# Altium PCB Power.PcbDoc (continued)
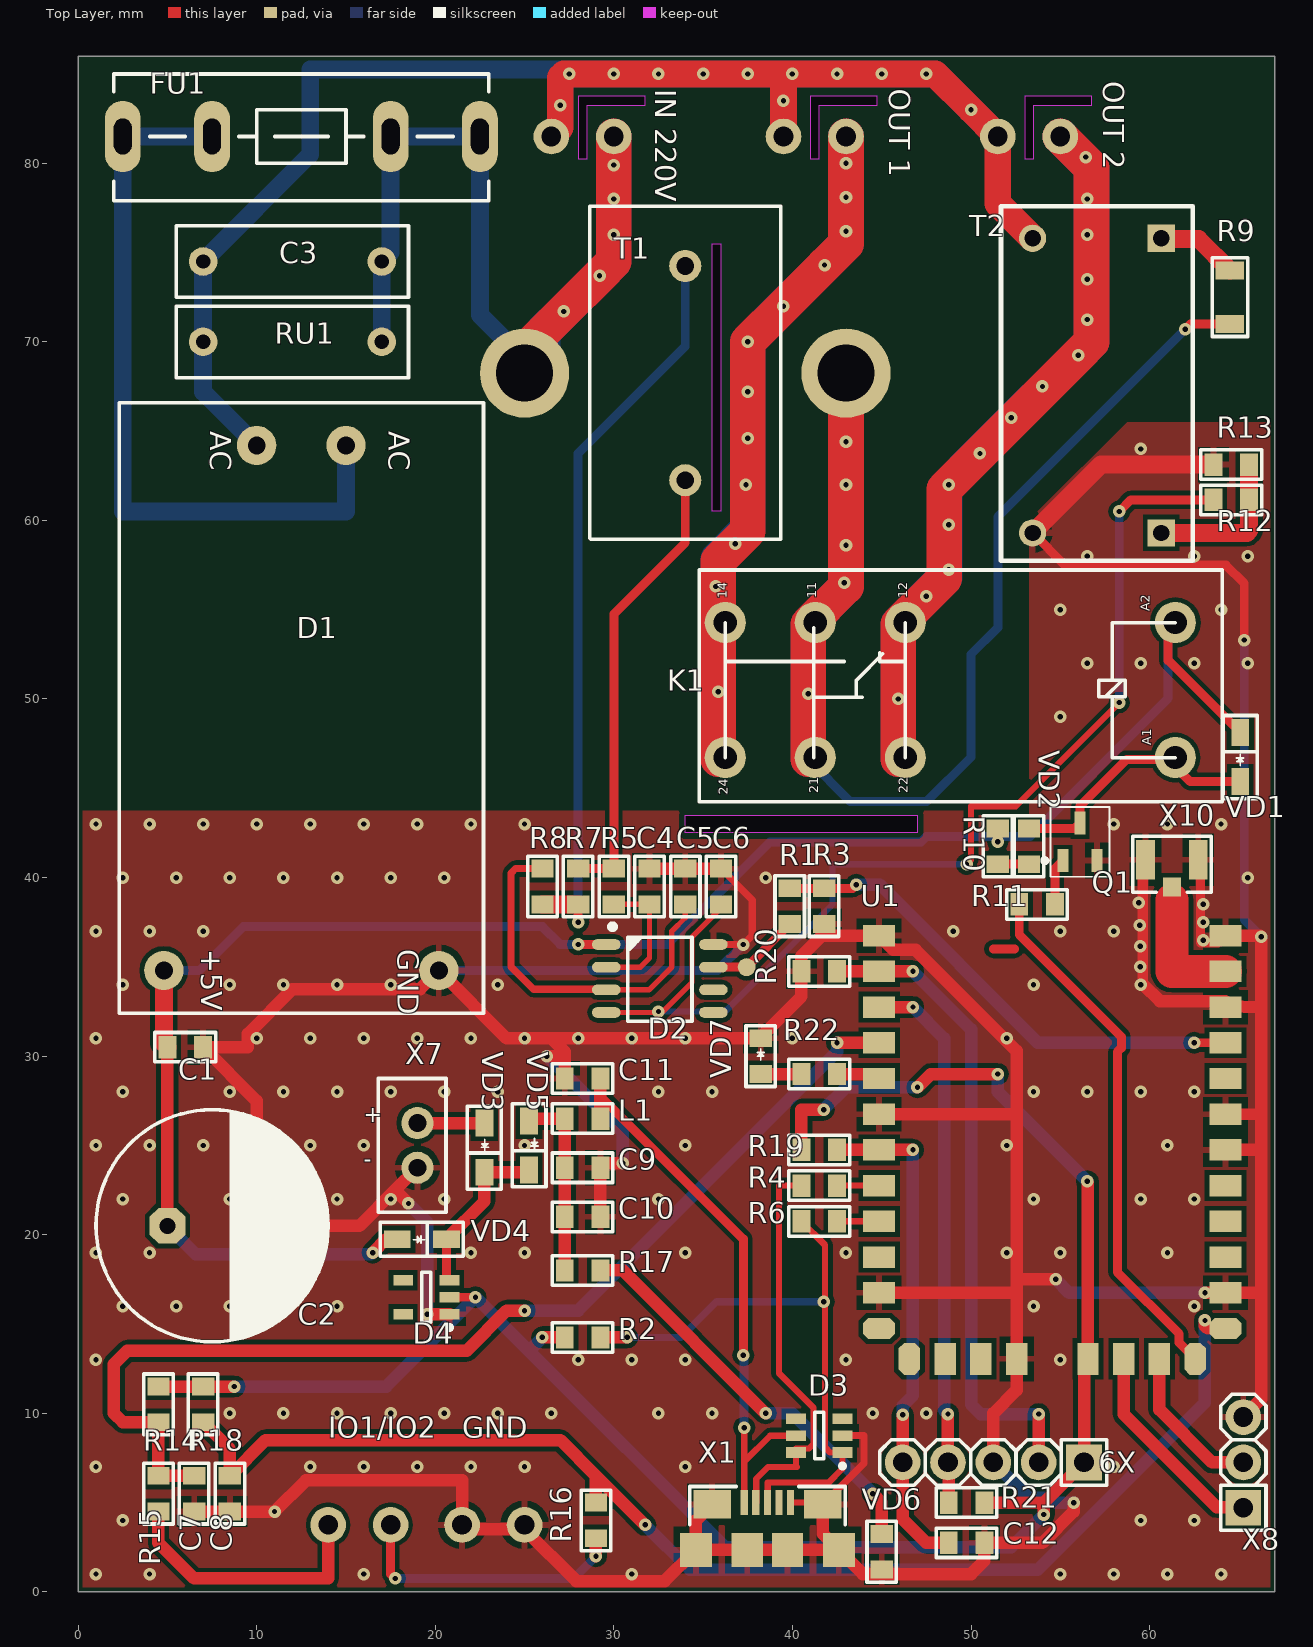
[diagram p0: Top Layer view]
## Components (designator, comment, footprint, x,y, rotation, side; value= is the part's Value field where it differs from the comment) (continued)
GND "Connector, 2pin, 10mm, 1000V, 20A" 393570002 6.5,-4.25 r0 top
"IN 220V" "Connector, 2pin, 10mm, 1000V, 20A" 393570002 45,89.5 r180 top (schematic designator IN:L/N)
IO1/IO2 "Connector, 2pin, 10mm, 1000V, 20A" 393570002 -1,-4.25 r0 top
K1 "Electromechanics relay, 3VDC, 250VAC, 16A, 2NO+2NC, -40...+85°C" "REL: RT314005" 49.9,50.1 r180 top
L1 "Fixed inductor, 10μH, Tolerance, 0805, 100mA, -55...+125°C" "IND: 0805" 28.25,26.5 r0 top value=10?H
"OUT 1" "Connector, 2pin, 10mm, 1000V, 20A" 393570002 58,89.5 r180 top
"OUT 2" "Connector, 2pin, 10mm, 1000V, 20A" 393570002 70,89.5 r180 top
Q1 "TRPBF" SOT23_N+ 56.1,42 r90 top
R1 "Resistor film, 4.7K, Tolerance, 0805, 0.125W, -55...+125°C" "RES: 0805" 39.85,38.4 r90 top value=4.7K
R2 "Resistor film, 1.5k, Tolerance, 0805, 0.125W, -55...+125°C" "RES: 0805" 28.25,14.25 r180 top value=1.5k
R3 "Resistor film, 2.2K, Tolerance, 0805, 0.125W, -55...+125°C" "RES: 0805" 41.775,38.4 r270 top value=2.2K
R4 "Resistor film, 22R, Tolerance, 0805, 0.125W, -55...+125°C" "RES: 0805" 41.5,22.75 r0 top value=22R
R5 "Resistor film, 1K, Tolerance, 0805, 0.125W, -55...+125°C" "RES: 0805" 30,39.5 r90 top value=1K
R6 "Resistor film, 22R, Tolerance, 0805, 0.125W, -55...+125°C" "RES: 0805" 41.5,20.75 r0 top value=22R
R7 "Resistor film, 1R, Tolerance, 0805, 0.125W, -55...+125°C" "RES: 0805" 28,39.5 r90 top value=1R
R8 "Resistor film, 1K, Tolerance, 0805, 0.125W, -55...+125°C" "RES: 0805" 26,39.5 r270 top value=1K
R9 "Resistor film, 100K, Tolerance, 0805, 0.125W, -55...+125°C" "RES: 1206" 64.5,72.5 r270 top value=100K
R10 "Resistor film, 1K, Tolerance, 0805, 0.125W, -55...+125°C" "RES: 0805" 51.5,41.75 r90 top value=1K
R11 "Resistor film, 120R, Tolerance, 0805, 0.125W, -55...+125°C" "RES: 0805" 53.7,38.5 r180 top value=120R
R12 "Resistor film, 1K, Tolerance, 0805, 0.125W, -55...+125°C" "RES: 0805" 64.575,61.15 r0 top value=1K
R13 "Resistor film, 51R, Tolerance, 0805, 0.125W, -55...+125°C" "RES: 0805" 64.575,63.125 r0 top value=51R
R14 "Resistor film, 10K, Tolerance, 0805, 0.125W, -55...+125°C" "RES: 0805" 4.5,10.5 r270 top value=10K
R15 "Resistor film, 1K, Tolerance, 0805, 0.125W, -55...+125°C" "RES: 0805" 4.5,5.5 r270 top value=1K
R16 "Resistor film, 1K, Tolerance, 0805, 0.125W, -55...+125°C" "RES: 0805" 29,4 r270 top value=1K
R17 "Resistor film, 220R, Tolerance, 0805, 0.125W, -55...+125°C" "RES: 0805" 28.25,18 r180 top value=220R
R18 "Resistor film, 10K, Tolerance, 0805, 0.125W, -55...+125°C" "RES: 0805" 7,10.5 r270 top value=10K
R19 "Resistor film, 47K, Tolerance, 0805, 0.125W, -55...+125°C" "RES: 0805" 41.5,24.75 r180 top value=47K
R20 "Resistor film, 1K, Tolerance, 0805, 0.125W, -55...+125°C" "RES: 0805" 41.5,34.75 r180 top value=1K
R21 "Resistor film, 1K, Tolerance, 0805, 0.125W, -55...+125°C" "RES: 0805" 49.75,5 r0 top value=1K
R22 "Resistor film, 1R, Tolerance, 0805, 0.125W, -55...+125°C" "RES: 0805" 41.5,29 r0 top value=1R
RU1 "Varistor, 275VAC, pitch 7mm, -55...+125°C" "CAP: B32521" 12,70 r180 top
T1 "Transformer, ZMPT103C, 0.35W" TRANS:ZMCT103C 34,68.25 r90 top
T2 "Transformer, ZMPT107, 0.35W" TRANS:ZMPT107-1 57.13,67.55 r270 top
U1 "iM880B-L" iM880B 46.85,36.75 r90 top (schematic designator U*1)
VD1 "Single diode, 75V, 150mA, 1V, 4ns, SOD-323, -55...+150°C" "DIODE: SOD123F" 65.075,46.75 r90 top
VD2 "LED, Green, *, *, *, -55...+150°C" "LED: 0805R" 53.25,41.75 r90 top
VD3 "Single diode, 75V, 150mA, 1V, 4ns, SOD-323, -55...+150°C" "DIODE: SOD123F" 22.75,24.875 r270 top
VD4 "Single diode, 75V, 150mA, 1V, 4ns, SOD-323, -55...+150°C" "DIODE: SOD123F" 19.25,19.75 r0 top
VD5 "Single diode, 75V, 150mA, 1V, 4ns, SOD-323, -55...+150°C" "DIODE: SOD123F" 25.25,25 r270 top
VD6 "LED, Green, *, *, *, -55...+150°C" "LED: 0805B" 45,2.25 r270 top
VD7 "LED, Green, *, *, *, -55...+150°C" "LED: 0805G" 38.225,30 r90 top
X1 "USB micro B" "CON: USB micro-A (ZX62-B-5PA)" 38.6,5 r0 top
X7 "Connector, 2pin, 2.5 mm, 250V, 3A" "CON: B2B-EH-A" 19,25 r270 top
X8 "Connector, 3pin, 2.54mm, 500VAC, 3A" "CON: PLS-3" 65.25,7.25 r90 top
X9 "Connector, 5pin, 2.54mm, 500VAC, 3A" "CON: PLS-5" 51.25,7.25 r180 top
X10 "Connector u.FL, 50 Ohm, 6GHz" "CON: u.Fl" 61.25,41 r0 top

## Footprints (in the part's own frame and the unit in brackets; to place one, negate y for a bottom-side part, rotate by r counter-clockwise, add the part's x,y. Pads: shape width x height; smd on the part's side, far side on the other; paste and mask are expansions set on the pad)
8-SOP-8_1_27 [mm]
  oval 1.598x0.6 smd: 1(-3,1.955) 2(-3,0.685) 3(-3,-0.585) 4(-3,-1.855) 5(3,-1.855) 6(3,-0.585) 7(3,0.685) 8(3,1.955)
  silkscreen extent -2.8,-2.35 1.8,3.1, body extent -3.1,-2.5 3.1,2.5, height 1.75
393570002 [mm]
  round 2 hole 1.1: 1(15,8) 2(18.5,8)
  body extent 13.19,4.5 20.3,11.79, height 8.51
"CAP: 0805" [mm]
  rect 1x1.25 smd: 1(-1,0) 2(1,0)
  silkscreen extent -1.7,-0.82 1.7,0.82, body extent -1,-0.62 1,0.63, height 0.78
"CAP: B32521" [mm]
  round 1.6 hole 0.8: 1(-5,0) 2(5,0)
  silkscreen extent -6.5,-2 6.5,2, body extent -6.5,-2 6.5,2, height 9
"CAP: D13C5H25" [mm]
  oct 2x2 hole 0.9: 1(-2.5,0)
  round 2 hole 0.9: 2(2.5,0)
  silkscreen extent -6.5,-6.5 6.53,6.5, body extent -6.5,-6.5 6.5,6.5, height 25
"CON: B2B-EH-A" [mm]
  round 1.8 hole 1: 1(-1.25,0) 2(1.25,0)
  round 0.5 on Top Overlay: ""(-4.2,-2)
  silkscreen extent -3.75,-2.2 3.75,1.6, body extent -3.75,-2.2 3.75,1.6, height 6.05
"CON: PLS-3" [mm]
  rect 2x2 hole 1.1: 1(-2.54,0)
  round 2 hole 1.1: 2(0,0) 3(2.54,0)
  silkscreen extent -3.81,-1.27 3.81,1.27, body extent -3.81,-1.27 3.81,1.27, height 8.54
"CON: PLS-5" [mm]
  rect 2x2 hole 1.1: 1(-5.08,0)
  round 2 hole 1.1: 2(-2.54,0) 3(0,0) 4(2.54,0) 5(5.08,0)
  silkscreen extent -6.35,-1.27 6.35,1.27, body extent -6.35,-1.27 6.35,1.27, height 8.54
"CON: u.Fl" [mm]
  rect 1x1.05 smd: 1(0,-1.525)
  rect 1.05x2.2 smd: 2(-1.475,0) 2(1.475,0)
  silkscreen extent -2.2,-1.81 2.2,1.31, body extent -1.5,-1.71 1.5,1.14, height 1.27
"CON: USB micro-A (ZX62-B-5PA)" [mm]
  rect 1.8x1.9 smd: 0(-4,-2.65) 0(4,-2.65)
  rect 2.1x1.6 smd: 0(-3.1,-0.1) 0(3.1,-0.1)
  rect 1.75x1.9 smd: 0(-1.125,-2.65) 0(1.125,-2.65)
  rect 0.4x1.4 smd: 1(-1.3,0) 2(-0.65,0) 3(0,0) 4(0.65,0) 5(1.3,0)
  round 0.5 on Top Overlay: ""(-4.85,0.75)
  silkscreen extent -4.35,-1.25 4.35,0.9, body extent -3.9,-4.8 3.9,0.2, height 2.68
"DIODE: SOD123F" [mm]
  rect 1.5x1 smd: 1(-1.375,0) 2(1.375,0)
  silkscreen extent -2.32,-0.95 2.32,0.95, body extent -1.87,-0.85 1.88,0.85, height 1.23
"FUSE: FH-100 (5x20 mm)" [mm]
  oval 2x4 hole 2 slot 1 at 0 deg: 1(0,0) 1(5,0) 2(15,0) 2(20,0)
  silkscreen extent -0.5,-3.5 20.5,3.6, body extent -0.4,-3.5 20.4,3.5, height 9.99
iM880B [mm]
  rect 1.2x1.8 smd: 1(0,2) 2(-2,2) 3(-4,2) 4(-6,2) 5(-8,2) 6(-10,2) 7(-12,2) 8(-14,2) 9(-16,2) 10(-18,2) 11(-20,2) 22(-20,-17.4) 23(-18,-17.4) 24(-16,-17.4) 25(-14,-17.4) 26(-12,-17.4) 27(-10,-17.4) 28(-8,-17.4) 29(-6,-17.4) 30(-4,-17.4) 31(-2,-17.4) 32(0,-17.4)
  oct 1.2x1.8 smd: 12(-22,2) 21(-22,-17.4)
  oct 1.8x1.2 smd: 13(-23.7,0.3) 20(-23.7,-15.7)
  rect 1.8x1.2 smd: 14(-23.7,-1.7) 15(-23.7,-3.7) 16(-23.7,-5.7) 17(-23.7,-9.7) 18(-23.7,-11.7) 19(-23.7,-13.7)
  body extent -24.3,-17.8 0.7,2.3, height 2
"IND: 0805" [mm]
  rect 1x1.25 smd: 1(-1,0) 2(1,0)
  silkscreen extent -1.7,-0.82 1.7,0.82, body extent -1,-0.62 1,0.63, height 0.85
"LED: 0805B" [mm]
  rect 1x1.25 smd: 1(-1,0) 2(1,0)
  silkscreen extent -1.7,-0.82 1.7,0.82, body extent -1.05,-0.67 1.05,0.68, height 0.9
"LED: 0805G" [mm]
  rect 1x1.25 smd: 1(-1,0) 2(1,0)
  silkscreen extent -1.7,-0.82 1.7,0.82, body extent -1.05,-0.67 1.05,0.68, height 0.9
"LED: 0805R" [mm]
  rect 1x1.25 smd: 1(-1,0) 2(1,0)
  silkscreen extent -1.7,-0.82 1.7,0.82, body extent -1.05,-0.67 1.05,0.68, height 0.9
"MOD: HLK-PM01" [mm]
  round 2.2 hole 1: 1(-14.7,-2.5) 2(-14.7,2.5) 3(14.7,7.7) 4(14.7,-7.7)
  silkscreen extent -17.1,-10.2 17.1,10.2, body extent -17,-10.1 17,10.1, height 15.07
"REL: RT314005" [mm]
  round 2.3 hole 1.3: 11(8.62,-4.18) 11(8.62,3.38) 12(3.58,3.38) 12(3.58,-4.18) 14(13.66,-4.18) 14(13.66,3.38) A1(-11.54,3.38) A2(-11.54,-4.18)
  round 1 on Top Overlay: 17(13.66,-2) 18(8.62,0) 19(6.317,0)
  silkscreen extent -14.18,-7.12 15.12,5.85, body extent -14.03,-7.25 14.97,5.79, height 15.91
"RES: 0805" [mm]
  rect 1x1.25 smd: 1(-1,0) 2(1,0)
  silkscreen extent -1.7,-0.82 1.7,0.82, body extent -1,-0.6 1,0.6, height 0.44
"RES: 1206" [mm]
  rect 1x1.6 smd: 1(-1.5,0) 2(1.5,0)
  silkscreen extent -2.2,-1 2.2,1, body extent -1.65,-0.8 1.55,0.8, height 0.47
SOT23-5 [mm] "pitch 0.95 mm"
  rect 1.1x0.6 smd: 1(-1.3,0.95) 2(-1.3,0) 3(-1.3,-0.95) 4(1.3,-0.95) 5(1.3,0.95)
  round 0.5 on Mech1: ""(-1.1,1.1)
  silkscreen extent -1.43,-1.4 0.25,1.82, body extent -1.5,-1.5 1.5,1.5, height 1.3
SOT23-6 [mm] "pitch 0.95 mm"
  rect 1.1x0.6 smd: 1(-1.3,0.95) 2(-1.3,0) 3(-1.3,-0.95) 4(1.3,-0.95) 5(1.3,0) 6(1.3,0.95)
  round 0.5 on Mech1: ""(-1,1.1)
  silkscreen extent -1.43,-1.3 0.25,1.82, body extent -1.4,-1.45 1.4,1.45, height 1.45
SOT23_N+ [mm] "SOT23, 3-Leads, Body 2.9x1.3mm, Pitch 0.95mm, Lead Span 2.3mm, IPC Medium Density"
  rect 1.3x0.6 smd: 1(-1.05,0.95) 2(-1.05,-0.95) 3(1.05,0)
  silkscreen extent -1.95,-1.65 1.95,2.09, body extent -0.7,-1.5 0.7,1.5, height 1.1
TRANS:ZMCT103C [mm] "Curient trnsformer"
  round 5 hole 3.2: 1(0,9) 2(0,-9)
  round 1.8 hole 1: 3(-6,0) 4(6,0)
  silkscreen extent -9.3,-5.35 9.35,5.35, body extent -9.02,-5 8.98,5, height 19
TRANS:ZMPT107-1 [mil]
  rect 60x60 hole 35.98: 1(-324.8,138.58) 3(324.8,138.58)
  round 60 hole 35.98: 2(-324.8,-144.88) 4(324.81,-144.88)
  silkscreen extent -396,-215 386,209, body extent -384,-203 376,198, height 717

## Part data
C1 C9 C11 C12: library part Ceramic_0805, Manufacturer=Yageo, Package=0805, PartNumber=CC0805KRX7R7BB104, Temperature=-55...+125°C, Tolerance=±10%, TypeCapacitor="Ceramic capacitor", TypeDielectric=X7R, ValueManufacturerPartNumber="Ceramic capacitor, 0.1?F, X7R, ±10%, Voltage, 0805, -55...+125°C", HelpURL=https://www.digikey.com/product-detail/en/yageo/CC0805KRX7R7BB104/311-1142-1-ND/303052
C2: library part Aluminium, Manufacturer=Wurth, Package="14x10x5 mm", PartNumber=860080475013, Temperature=-55...+105°C, Tolerance=±20%, TypeCapacitor="Aluminium capacitor", ValueManufacturerPartNumber="Aluminium capacitor, 330?F, 25V, ±20%, 54mOhm, 14x10x5 mm, -55...+105°C", Voltage=25V, HelpURL=https://www.digikey.com/product-detail/en/wurth-electronics-inc/860080475013/732-9029-1-ND/5728972, Impedance=54mOhm
C3: library part Ceramic_0805, Manufacturer=Yageo, Package=DIP, PartNumber=CC0805KRX7R7BB104, Temperature=-55...+125°C, Tolerance=±10%, TypeCapacitor="Ceramic capacitor", TypeDielectric=X7R, ValueManufacturerPartNumber="Ceramic capacitor, 0.1?F, X7R, ±10%, Voltage, DIP, -55...+125°C", HelpURL=https://www.digikey.com/product-detail/en/yageo/CC0805KRX7R7BB104/311-1142-1-ND/303052
C4 C5 C6: library part Ceramic_0805, Manufacturer=Yageo, Package=0805, PartNumber=CC0805KRX7R7BB104, Temperature=-55...+125°C, Tolerance=±10%, TypeCapacitor="Ceramic capacitor", TypeDielectric=X7R, ValueManufacturerPartNumber="Ceramic capacitor, 0.033?F, X7R, ±10%, Voltage, 0805, -55...+125°C", HelpURL=https://www.digikey.com/product-detail/en/yageo/CC0805KRX7R7BB104/311-1142-1-ND/303052
C7 C8: library part Ceramic_0805, Manufacturer=Yageo, Package=0805, PartNumber=CC0805KRX7R7BB104, Temperature=-55...+125°C, Tolerance=±10%, TypeCapacitor="Ceramic capacitor", TypeDielectric=X7R, ValueManufacturerPartNumber="Ceramic capacitor, 0.01?F, X7R, ±10%, Voltage, 0805, -55...+125°C", HelpURL=https://www.digikey.com/product-detail/en/yageo/CC0805KRX7R7BB104/311-1142-1-ND/303052
C10: library part Ceramic_0805, Manufacturer=Yageo, Package=0805, PartNumber=CC0805KRX7R7BB104, Temperature=-55...+125°C, Tolerance=±10%, TypeCapacitor="Ceramic capacitor", TypeDielectric=X7R, ValueManufacturerPartNumber="Ceramic capacitor, 4.1?F, X7R, ±10%, Voltage, 0805, -55...+125°C", HelpURL=https://www.digikey.com/product-detail/en/yageo/CC0805KRX7R7BB104/311-1142-1-ND/303052
D1: library part HLK-PM03, "AC/DC converter", InputVoltage=100...240VAC, Manufacturer=Mornsun, OutputVoltage="3V 900mA", Package=30x20x15mm, Temperature=-40...+105°C, ComponentType="AC/DC converter", HelpURL=https://ru.aliexpress.com/item/32408565688.html, OutputType=isolator, PartNumber=HLK-PM03, ValueManufacturerPartNumber="AC/DC converter, isolator, 3V 900mA, 100...240VAC, -40...+105°C, 30x20x15mm"
D2: library part HLW8032, "ADC", LCSCPartNumber=C128023, Manufacturer=Asia, Package=SOP-8, Temperature=-40...+125°C, ComponentType="IC ADC", HelpURL=https://www.digikey.com/product-detail/en/microchip-technology/MCP3221A5T-I-OT/MCP3221A5T-I-OTCT-ND/529836, InterfaceData=UART, PartNumber=HLW8032, Resolution="24 bit", Speed="4800 9N1", Supply=5V, ValueManufacturerPartNumber="IC ADC, 24 bit, 4800 9N1, UART, 5V, -40...+125°C, SOP-8"
D3: library part ISOUSBLC6-4SC6, "USB Isolator", Manufacturer="Texas Instruments", Package=SOT-23-6, PartNumber=USBLC6-4SC6, Temperature=-55...+105°C, ComponentType="IC USB isolator", DataRate=1Mbps, HelpURL=https://www.chipdip.ru/product/usblc6-4sc6, Supply=3...5.5V, TypeDuplex=Half-duplex, ValueManufacturerPartNumber="IC USB isolator, 1Mbps, Half-duplex, 3...5.5V, -55...+105°C, SOT-23-6"
D4: library part TTLV70436DBVT, "Linear voltage regulator", CurrentOutput="200 mA", Manufacturer="Texas Instruments", Package=SOT-23-5, Temperature=-40...+85°C, VoltageInput="input 5.5V", VoltageOutput="output 3.3V", ComponentType="Linear voltage regulator", HelpURL=https://www.digikey.com/product-detail/en/texas-instruments/TLV70033DDCR/296-27937-1-ND/2440840, MaxDropout=0.25V, PartNumber=TTLV70436DBVT, ValueManufacturerPartNumber="Linear voltage regulator, input 5.5V, 0.25V, output 3.3V, 200 mA, -40...+85°C, SOT-23-5"
FU1: library part Fuse, Manufacturer=Littelfuse, MaxCurrent=10A, Package=5x20mm, PartNumber=01110501Z, VoltageMax=250VAC, HelpURL=https://www.digikey.com/products/en?keywords=01110501Z, TypeFuse="Electromechanics relay", ValueManufacturerPartNumber="Electromechanics relay, 250VAC, 10A, 5x20mm, Temperature"
GND IO1/IO2 "OUT 1" "OUT 2": library part "Connector-Wago 734-102/037-000", CurrentMax=20A, Manufacturer=Wago, PartNumber=734-102/037-000, VoltageMax=1000V, HelpURL=https://www.wago.com/ru/%D1%81%D1%8A%D0%B5%D0%BC%D0%BD%D1%8B%D0%B5-%D1%81%D0%BE%D0%B5%D0%B4%D0%B8%D0%BD%D0%B8%D1%82%D0%B5%D0%BB%D0%B8-%D0%B8-%D0%BA%D0%BB%D0%B5%D0%BC%D0%BC%D1%8B-%D0%B4%D0%BB%D1%8F-%D0%BF%D0%B5%D1%87%D0%B0%D1%82%D0%BD%D1%8B%D1%85-%D0%BF%D0%BB%D0%B0%D1%82/%D0%BA%D0%BB%D0%B5%D0%BC%D0%BC%D0%B0-%D0%BD%D0%B0-%D0%BF%D0%B5%D1%87%D0%B0%D1%82%D0%BD%D1%83%D1%8E-%D0%BF%D0%BB%D0%B0%D1%82%D1%83/p/739-3202, Multichannel=2pin, Pitch=10mm, TypeConnector=Connector, ValueManufacturerPartNumber="Connector, 2pin, 10mm, 1000V, 20A"
  GND: CommentText="\"Çåìëÿ\""
  IO1/IO2: CommentText="\"Ñóõîé êîíòàêò\""
  "OUT 1": CommentText="\"Âûõîä ðàçîìêíóòûé\""
  "OUT 2": CommentText="\"Âûõîä çàìêíóòûé\""
"IN 220V": library part "Connector-Wago 734-102/037-000", CurrentMax=20A, Manufacturer=393570002, PartNumber=734-102/037-000, VoltageMax=1000V, CommentText="\"Âõîä\"", HelpURL=https://www.wago.com/ru/%D1%81%D1%8A%D0%B5%D0%BC%D0%BD%D1%8B%D0%B5-%D1%81%D0%BE%D0%B5%D0%B4%D0%B8%D0%BD%D0%B8%D1%82%D0%B5%D0%BB%D0%B8-%D0%B8-%D0%BA%D0%BB%D0%B5%D0%BC%D0%BC%D1%8B-%D0%B4%D0%BB%D1%8F-%D0%BF%D0%B5%D1%87%D0%B0%D1%82%D0%BD%D1%8B%D1%85-%D0%BF%D0%BB%D0%B0%D1%82/%D0%BA%D0%BB%D0%B5%D0%BC%D0%BC%D0%B0-%D0%BD%D0%B0-%D0%BF%D0%B5%D1%87%D0%B0%D1%82%D0%BD%D1%83%D1%8E-%D0%BF%D0%BB%D0%B0%D1%82%D1%83/p/739-3202, Multichannel=2pin, Pitch=10mm, TypeConnector=Connector, ValueManufacturerPartNumber="Connector, 2pin, 10mm, 1000V, 20A"
K1: library part RT314005, Manufacturer=TE, MaxCurrent=16A, Package=2NO+2NC, PartNumber=RT314(1), Temperature=-40...+85°C, VoltageControlCoil=3VDC, VoltageMax=250VAC, HelpURL=https://www.chipdip.ru/product/9-1393239-1-rt314005, TypeRelay="Electromechanics relay", ValueManufacturerPartNumber="Electromechanics relay, 3VDC, 250VAC, 16A, 2NO+2NC, -40...+85°C"
L1: library part Inductor_0805, Manufacturer="Murata Electronics", MaxCurrent=100mA, Package=0805, PartNumber=LQM21FN100M70L, Temperature=-55...+125°C, TypeInductor="Fixed inductor", ValueManufacturerPartNumber="Fixed inductor, 10?H, Tolerance, 0805, 100mA, -55...+125°C", HelpURL=https://www.digikey.com/product-detail/en/murata-electronics-north-america/LQM21FN100M70L/490-4029-1-ND/1016289
Q1: library part IRLML2402TRPBF++, Manufacturer=DiodesIncorporated, Package Reference=SOT-23, Part Number=IRLML2402TRPBF
R1 R2 R3 R4 R5 R6 R7 R8 R9 R10 R11 R12 R13 R14 R15 R16 R17 R18 R19 R20 R21 R22: library part Resistor_0805, Manufacturer=Yageo, Package=0805, PartNumber=RC0805JR-07100RL, Power=0.125W, Temperature=-55...+125°C, TypeResistor="Resistor film", HelpURL=https://www.digikey.com/product-detail/en/yageo/RC0805JR-07100RL/311-100ARCT-ND/731185
  R1: ValueManufacturerPartNumber="Resistor film, 4.7K, Tolerance, 0805, 0.125W, -55...+125°C"
  R2: ValueManufacturerPartNumber="Resistor film, 1.5k, Tolerance, 0805, 0.125W, -55...+125°C"
  R3: ValueManufacturerPartNumber="Resistor film, 2.2K, Tolerance, 0805, 0.125W, -55...+125°C"
  R4 R6: ValueManufacturerPartNumber="Resistor film, 22R, Tolerance, 0805, 0.125W, -55...+125°C"
  R5 R8 R10 R12 R15 R16 R20 R21: ValueManufacturerPartNumber="Resistor film, 1K, Tolerance, 0805, 0.125W, -55...+125°C"
  R7 R22: ValueManufacturerPartNumber="Resistor film, 1R, Tolerance, 0805, 0.125W, -55...+125°C"
  R9: ValueManufacturerPartNumber="Resistor film, 100K, Tolerance, 0805, 0.125W, -55...+125°C"
  R11: ValueManufacturerPartNumber="Resistor film, 120R, Tolerance, 0805, 0.125W, -55...+125°C"
  R13: ValueManufacturerPartNumber="Resistor film, 51R, Tolerance, 0805, 0.125W, -55...+125°C"
  R14 R18: ValueManufacturerPartNumber="Resistor film, 10K, Tolerance, 0805, 0.125W, -55...+125°C"
  R17: ValueManufacturerPartNumber="Resistor film, 220R, Tolerance, 0805, 0.125W, -55...+125°C"
  R19: ValueManufacturerPartNumber="Resistor film, 47K, Tolerance, 0805, 0.125W, -55...+125°C"
RU1: library part Varistor, Manufacturer=Bourns, MaxVoltage=275VAC, Package="pitch 7mm", PartNumber=MOV-07D431KTR, Temperature=-55...+125°C, HelpURL=https://www.digikey.com/product-detail/en/bourns-inc/MOV-07D431KTR/MOV-07D431KTRCT-ND/4318145, TypeResistor=Varistor, ValueManufacturerPartNumber="Varistor, 275VAC, pitch 7mm, -55...+125°C"
T1: library part Currient_ZMPT103C, Manufacturer="Hahn Trafo", PartNumber=ZMPT107-1, PartNumberLCSC=C94572, Power=0.35W, Voltage=ZMPT103C, HelpURL=https://www.electronshik.ru/item/HAHN/BVhttps://lcsc.com/product-detail/Current-Transformers_Qingxian-Zeming-Langxi-Elec-ZMPT107_C94572.html20201%200128, TypeTransformer=Transformer, ValueManufacturerPartNumber="Transformer, ZMPT103C, 0.35W"
T2: library part Voltage_ZMPT107-1, Manufacturer="Hahn Trafo", PartNumber=ZMPT107-1, PartNumberLCSC=C94572, Power=0.35W, Voltage=ZMPT107, HelpURL=https://www.electronshik.ru/item/HAHN/BVhttps://lcsc.com/product-detail/Current-Transformers_Qingxian-Zeming-Langxi-Elec-ZMPT107_C94572.html20201%200128, TypeTransformer=Transformer, ValueManufacturerPartNumber="Transformer, ZMPT107, 0.35W"
U1: Manufacture=IMST
VD1 VD3 VD4 VD5: library part Diode_single, Current=150mA, Manufacturer="Micro Commercial", Package=SOD-323, Temperature=-55...+150°C, Voltage=75V, VoltageDrop=1V, HelpURL=https://www.digikey.com/product-detail/en/micro-commercial-co/1N4148WX-TP/1N4148WXTPMSCT-ND/717312, RecoveryTime=4ns, TypeDiode="Single diode", ValueManufacturerPartNumber="Single diode, 75V, 150mA, 1V, 4ns, SOD-323, -55...+150°C"
VD2: library part LED_single, ColorParameter=Green, Temperature=-55...+150°C, TypeDiode=LED, ValueManufacturerPartNumber="LED, Green, *, *, *, -55...+150°C"
VD6: library part LED_single, Color=BLUE, ColorParameter=Green, Temperature=-55...+150°C, TypeDiode=LED, ValueManufacturerPartNumber="LED, Green, *, *, *, -55...+150°C"
VD7: library part LED_single, Color=GREEN, ColorParameter=Green, Temperature=-55...+150°C, TypeDiode=LED, ValueManufacturerPartNumber="LED, Green, *, *, *, -55...+150°C"
X1: library part Connector_USB_micro_B, Manufacturer="Hirose Electric", PartNumber=ZX62-B-5PA, CommentText="\"USB\"", HelpURL=https://www.digikey.com/product-detail/en/hirose-electric-co-ltd/ZX62-B-5PA/H11579CT-ND/1851090, TypeConnector="USB micro B", ValueManufacturerPartNumber="USB micro B"
X7: library part Connector_B2B-EH-A, CurrentMax=3A, Manufacturer=JST, PartNumber=B2B-EH-A, VoltageMax=250V, CommentText="\"Ðàçúåì\"", HelpURL=https://www.digikey.com/product-detail/en/jst-sales-america-inc/B2B-EH-A-LF-SN/455-1611-ND/926520, Multichannel=2pin, Pitch="2.5 mm", TypeConnector=Connector, ValueManufacturerPartNumber="Connector, 2pin, 2.5 mm, 250V, 3A"
X8: library part PLS-3, CurrentMax=3A, Manufacturer=Connfly, VoltageMax=500VAC, CommentText="\"UART1\"", HelpURL=https://www.chipdip.ru/product/pls-3, Multichannel=3pin, PartNumber=PLS-3, Pitch=2.54mm, TypeConnector=Connector, ValueManufacturerPartNumber="Connector, 3pin, 2.54mm, 500VAC, 3A"
X9: library part PLS-5, CurrentMax=3A, Manufacturer=Connfly, VoltageMax=500VAC, CommentText="\"SWD\"", HelpURL=https://www.chipdip.ru/product/pls-5, Multichannel=5pin, PartNumber=PLS-5, Pitch=2.54mm, TypeConnector=Connector, ValueManufacturerPartNumber="Connector, 5pin, 2.54mm, 500VAC, 3A"
X10: library part Connector_uFL, Frequency=6GHz, Manufacturer="Hirose Electric", PartNumber=U.FL-R-SMT(01), HelpURL=https://www.digikey.com/product-detail/en/hirose-electric-co-ltd/U.FL-R-SMT-01/H9161-ND/513010, Impedance="50 Ohm", TypeConnector="Connector u.FL", ValueManufacturerPartNumber="Connector u.FL, 50 Ohm, 6GHz"

## Free pads (board coordinates)
  round 1 smd: 4(37.435,34.985)
  round 1 on Bottom Paste: 5(43,77)

## Via types
v1: diameter 0.7, hole 0.3, Top Layer to Bottom Layer, tented both sides, 143 vias
v2: diameter 0.7, hole 0.3, Top Layer to Bottom Layer, 103 vias

## Nets (pads, with @x,y where several pads share a name; then routed paths per layer and width w, separated by ;. In a path a pad name is that pad's centre, name@x,y a point inside that pad or via, vN(x,y) a via of type N, cw(c..) or ccw(c..) an arc to the next point about the centre after c; other vN are vias at no path point)
"5V DC": C1.2 C2.1 D1.4 D2.1 K1.A2 R10.2 VD1.2 VD4.1 | length 106.1
  Top Layer w0.5: v2(28.005,36.255) D2.1 ; v2(51.5,42) R10.2 ; K1.A2@61.04,54.18 61.04,52.16 VD1.2
  Top Layer w0.7: C2.1 C1.2 ; v2(16.5,19) 17.25,19.75 VD4.1
  Top Layer w1: D1.4 4.8,30.7 C1.2
  Bottom Layer w0.5: D1.4 6.8,34.8 9.25,37.25 26,37.25 26.995,36.255 v2(28.005,36.255) 33.005,36.255 38.75,42 47.207,42 47.5,42.293 v2@51.5,42.293 ; v2(51.5,42) v2@51.5,42.293 ; K1.A2@61.04,54.18 61.04,50.04 53.293,42.293 v2@51.5,42.293
  Bottom Layer w0.7: C2.1 6.6,18.9 16.4,18.9 v2(16.5,19)
"5V USB": C11.2 D3.5 L1.2 X1.1 | length 31.8
  Top Layer w0.35: X1.1 37.3,7.3 ; v2(37.3,9.2) 37.3,7.3 ; D3.5 38.75,8.75 37.3,7.3
  Top Layer w0.5: 29.25,27.75 37.25,19.75 v2(37.25,13.25)
  Top Layer w0.7: L1.2 29.25,27.75 C11.2
  Bottom Layer w0.5: v2(37.25,13.25) 37.3,13.2 v2(37.3,9.2)
F: "IN 220V.1" C3.1 FU1.1 RU1.1 T1.1 | length 62.1
  Top Layer w2: T1.1 25,69.5 v2(27.2,71.7) v2(29.2,73.7) 30,74.5 v2(30,76) v2(30,78) v2(30,79.9) 30,81.5
  Bottom Layer w1: RU1.1 C3.1 17.5,75 17.5,81.5 22.5,81.5 22.5,71.5 T1.1@26,68
  Bottom Layer w2: T1.1@26,68 26,70.5 v2(27.2,71.7) v2(29.2,73.7) 30,74.5 v2(30,76) v2(30,78) v2(30,79.9) 30,81.5
GND: C1.1 C2.2 C4.1 C5.2 C6.1 C7.2 C8.1 C9.1 C10.1 C11.1 C12.1 D1.3 D2.8 D3.2 D4.1 GND.1 GND.2 Q1.2 R3.2 R13.1 R20.2 T2.4 U1.1 U1.6 U1.11 U1.16 U1.22 U1.26 U1.27 U1.30 U1.32 VD6.2 VD7.2 X1.0 X1.5 X7.2 X8.3 X9.3 X10.2 | length 358.9
  Top Layer w0.35: X1.5 41.6,5 X1.0@41.7,4.9
  Top Layer w0.4: D2.8 37.255,36.255 37.75,36.75 37.75,38.75 C6.1 ; X1.0@41.7,4.9 44,7.2 44,8.75 D3.2
  Top Layer w0.5: T2.4 55.25,57.5 64.275,57.5 65.3,56.475 v2(65.3,53.3) ; X10.2@62.725,41 X10.2@62.85,40.875
  Top Layer w0.515: X10.2@62.85,40.875 62.85,36.347 63.847,36.347 U1.32
  Top Layer w0.6: v1@59.625,34.025 59.625,35 X10.2@59.625,40.85
  Top Layer w0.65: U1.27 66.2,26.75 66.25,26.8
  Top Layer w0.7: C7.2 C8.1 v2(11,4.5) 12.75,6.25 21.5,6.25 GND.1 21.5,3.5 25,3.5 27.9,0.6 32.85,0.6 X1.0@34.6,2.35 ; v2(18.5,21.75) 17.75,22.5 ; X7.2 17.75,22.5 ; v2(19.55,15.55) D4.1 ; v2(26.25,30) 27,30 27.25,30.25 ; C11.1 27.25,30.25 ; C10.1 C9.1 29.25,24 v2(30.5,24) ; C4.1 C5.2 C6.1 ; X1.0@35.5,4.9 34.6,4 X1.0@34.6,2.35 ; X1.0@41.7,4.9 41.7,3.25 X1.0@42.6,2.35 ; U1.11 52.55,16.75 ; U1.6 52.55,26.75 ; X9.3 51.25,10 52.55,11.3 U1.16 52.55,16.75 ; v2(54.75,17.5) 52.55,17.5 ; v2(55.75,5) 55.75,4.5 54,2.75 C12.1 50.75,1.75 50,1 43.95,1 X1.0@42.6,2.35 ; v1@59.625,34.025 60.575,33.075 U1.30@64.25,33.075 ; X10.2@59.625,40.85 X10.2@59.775,41 ; v2(63.1,16.75) U1.22 66.25,16.75 ; U1.30@64.225,32.8 64.251,32.799 66.25,32.75 ; U1.26 66.25,24.75 ; U1.32 66.196,36.75 v2(66.25,36.696) 66.25,32.75 ; X8.3 66.25,10.79 66.25,16.75 ; 17.75,22.5 15.75,20.5 C2.2 10,27.5 C1.1 9.5,30.5 9.5,31.25 12,33.75 17.5,33.75 19.15,33.75 D1.3 24,31 26.5,31 ; 26.5,31 v1(31,31) 38.15,31 40.5,33.35 R20.2 40.5,35.6 41.65,36.75 U1.1 45.65,35.95 46.894,35.95 52.55,30.294 52.55,26.75 ; 26.5,31 27.25,30.25 ; X1.0@34.6,2.35 37.475,2.35 39.725,2.35 X1.0@42.6,2.35 ; 52.55,16.75 52.55,17.5 ; 52.55,17.5 52.55,26.75 ; 66.25,16.75 66.25,24.75 ; 66.25,24.75 66.25,26.8 66.25,32.75
  Top Layer w1: T2.4 57.275,63.125 R13.1
  Bottom Layer w0.5: D1.3 35.8,34.8 v2(37.25,36.25) ; v2(65.3,53.3) 65.3,37.646 v2(66.25,36.696)
  Bottom Layer w0.7: v2(18.5,21.75) 19.55,20.7 v2(19.55,15.55) ; v2(26.25,30) 30.5,25.75 v2(30.5,24) ; X9.3 53.22,5.28 54.474,5.28 54.753,5 v2(55.75,5) ; v2(54.75,17.5) 55.5,16.75 v2(63.1,16.75)
  other v1: 1,1 4,1 16,1 31,1 55,1 58,1 61,1 64,1 2.5,4 59.5,4 62.5,4 1,7 13,7 16,7 19,7 22,7 25,7 34,7 58,7 8.5,10 11.5,10 14.5,10 17.5,10 20.5,10 23.5,10 26.5,10 32.5,10 35.5,10 44.5,10 47.5,10 1,13 28,13 31,13 34,13 43,13 55,13 2.5,16 5.5,16 8.5,16 11.5,16 14.5,16 53.5,16 62.5,16 1,19 4,19 22,19 25,19 34,19 43,19 52,19 55,19 61,19 2.5,22 8.5,22 11.5,22 14.5,22 17.5,22 20.5,22 32.5,22 53.5,22 59.5,22 62.5,22 1,25 4,25 7,25 10,25 13,25 16,25 25,25 34,25 52,25 61,25 2.5,28 8.5,28 11.5,28 14.5,28 17.5,28 20.5,28 23.5,28 32.5,28 35.5,28 53.5,28 56.5,28 59.5,28 62.5,28 1,31 10,31 13,31 16,31 19,31 22,31 25,31 28,31 34,31 40,31 52,31 2.5,34 8.5,34 11.5,34 14.5,34 17.5,34 23.5,34 53.5,34 59.5,34 1,37 4,37 7,37 49,37 55,37 58,37 2.5,40 5.5,40 8.5,40 11.5,40 14.5,40 17.5,40 20.5,40 38.5,40 65.5,40 1,43 4,43 7,43 10,43 13,43 16,43 19,43 22,43 25,43 58,43 61,43 64,43 55,49 56.5,52 59.5,52 62.5,52 65.5,52 55,55 64,55 56.5,58 62.5,58 65.5,58 59.5,64
  other v2: 59.475,35 59.475,36.15 63,36.5 59.45,37.325 63,37.5 63,38.5 59.4,38.6
IN1: C7.1 R14.2 R15.1 U1.4 | length 61.1
  Top Layer w0.7: C7.1 R15.1 R14.2 2.5,9.5 2,10 2,12.75 2.75,13.5 21.75,13.5 24,15.75 v2(25,15.75) ; v2(42.5,30.75) U1.4
  Bottom Layer w0.7: v2(25,15.75) 28,15.75 42.5,30.25 v2(42.5,30.75)
IN2: C8.2 R16.1 R18.2 U1.21 | length 73.5
  Top Layer w0.7: R18.2 8.5,8 C8.2 10.5,8.5 27,8.5 29,6.5 ; R16.1 29,6.5 ; v2(31.75,3.75) 29,6.5 ; v2(63.1,15.2) 63.1,14.9 63.25,14.75 U1.21
  Bottom Layer w0.7: v2(31.75,3.75) 34.25,1.25 53.75,1.25 63.1,10.6 v2(63.1,15.2)
N: "IN 220V.2" "OUT 1.2" "OUT 2.2" C3.2 D1.1 RU1.2 T2.2 | length 112.1
  Top Layer w1.5: 26.5,81.5 27,82 v2(27,83.25) 27,84.8 27.2,85 v2(32.5,85) 39.5,85 ; 39.5,81.5 v2(39.5,83.5) 39.5,85 ; T2.2 51.5,77.75 51.5,81.5 v2(50,83) 48,85 v2(47.5,85) v2(45,85) v2(42.5,85) v2(40,85) 39.5,85
  Bottom Layer w1: D1.1 7,67.2 RU1.2 C3.2 13,80.5 13,85.25 27.25,85.25 v2(27.5,85)
  Bottom Layer w1.5: 26.5,81.5 27,82 v2(27,83.25) 27,85 v2(27.5,85) v2(30,85) v2(32.5,85) v2(35,85) v2(37.5,85) 39.5,85 ; 39.5,81.5 v2(39.5,83.5) 39.5,85 ; 51.5,81.5 v2(50,83) 48,85 v2(47.5,85) v2(45,85) v2(42.5,85) v2(40,85) 39.5,85
NetC4_2: C4.2 D2.2 R5.1 | length 7.6
  Top Layer w0.3: D2.2 31.485,34.985 32,35.5 C4.2 R5.1
NetC5_1: C5.1 D2.3 R8.1 | length 21
  Top Layer w0.3: D2.3 31.965,33.715 33.25,35 33.25,37 34,37.75 C5.1
  Top Layer w0.4: R8.1 24.5,40.5 24.25,40.25 24.25,35 25.5,33.75 29.54,33.75 D2.3
NetC6_2: C6.2 D2.4 R12.1 | length 62.8
  Top Layer w0.3: D2.4 32.695,32.445 34.376,34.126 34.376,36.669 36,38.293 C6.2
  Top Layer w0.35: v2(49.75,40.75) 50,41 50,44 52.5,44 v2(58.3,49.8)
  Top Layer w0.5: v2(58.3,60.5) 58.95,61.15 R12.1
  Bottom Layer w0.35: v2(32.5,32.5) 36.25,32.5 42.25,38.5 42.25,40.75 v2(49.75,40.75)
  Bottom Layer w0.5: v2(58.3,49.8) v2(58.3,60.5)
NetC9_2: C9.2 C10.2 L1.1 R17.2 VD5.1 | length 10.6
  Top Layer w0.7: VD5.1 25.375,26.5 L1.1 C9.2 C10.2 R17.2
NetC12_2: C12.2 R19.1 U1.7 X9.5 | length 28.3
  Top Layer w0.7: R19.1 U1.7 v2(46.75,24.75) ; v2(46.17,9.92) X9.5 46.17,4.08 47.5,2.75 C12.2
  Bottom Layer w0.7: v2(46.17,9.92) 46.17,10.42 46.75,11 v2(46.75,24.75)
NetD1_2: D1.2 FU1.2 | length 43.2
  Bottom Layer w1: FU1.2@7.5,80.5 7.5,81.5 2.5,81.5 2.5,60.5 15,60.5 D1.2
NetD2_7: D2.7 pad.4 R1.1 | length 5.3
  Top Layer w0.5: D2.7 pad.4 R1.1
NetD3_1: D3.1 R2.1 R6.1 X1.3 | length 34.2
  Top Layer w0.35: X1.3 38.625,5.025 38.625,6.125 42.041,6.125 42.8,6.884 D3.1 42.124,7.8 41.825,8.099 41.825,19.425 R6.1
  Top Layer w0.7: R2.1 v2(30.75,14.25)
  Bottom Layer w0.4: v2(30.75,14.25) 33.75,14.25 35.75,16.25 v2(41.75,16.25)
NetD3_6: D3.6 R4.1 X1.2 | length 22.5
  Top Layer w0.35: X1.2 37.975,5.025 37.975,6.324 38.651,7 40.25,7 40.2,7.05 D3.6 40.2,8.025 40.926,8.025 41.175,8.274 41.175,10.325 39.25,12.25 39.25,22.75 R4.1
NetD4_3: D4.3 VD3.2 VD4.2 VD5.2 | length 9.6
  Top Layer w0.5: VD4.2 20.625,17.625 D4.3
  Top Layer w0.7: VD4.2 22.75,21.875 VD3.2 25.125,23.5 VD5.2
NetIO1/IO2_1: IO1/IO2.1 R15.2 | length 15.1
  Top Layer w0.7: R15.2 4.5,2.75 6.5,0.75 14,0.75 IO1/IO2.1
NetIO1/IO2_2: IO1/IO2.2 R16.2 | length 15.9
  Top Layer w0.5: IO1/IO2.2 17.5,1 v2(17.75,0.75)
  Top Layer w0.7: v2(29,2) R16.2
  Bottom Layer w0.5: v2(17.75,0.75) 27.75,0.75 v2(29,2)
NetK1_11: K1.11 R9.2 T1.2 | length 87.7
  Top Layer w0.5: v2(62,70.7) 62.3,71 R9.2
  Top Layer w2: K1.11@40.88,46.62 v2(40.88,50.3) 40.88,54.18 43,56.3 v2(43,58.6) v2(43,62) v2(43,64.4) T1.2
  Bottom Layer w0.5: K1.11@40.88,46.62 43.25,44.25 47.5,44.25 50,46.75 50,52.5 51.5,54 51.5,60.2 v2(62,70.7)
  Bottom Layer w2: K1.11@40.88,46.62 v2(40.88,50.3) 40.88,54.18 43,56.3 v2(43,58.6) v2(43,62) v2(43,64.4) T1.2
  other v2: 42.9,56.5
NetK1_12: "OUT 2.1" K1.12 | length 79.9
  Top Layer w2: K1.12@45.92,46.62 v2(45.92,50) 45.92,54.18 45.93,54.18 48.275,56.525 ; 48.5,56.75 48.5,61.75 v2(48.75,62) v2(56,69.25) 56.75,70 56.75,73.5 56.75,78 56.75,79.75 55,81.5
  Bottom Layer w2: K1.12@45.92,46.62 v2(45.92,50) 45.92,54.195 48.525,56.8 48.525,61.775 v2(50.5,63.75) 56.75,70 56.75,73.5 56.75,78 56.75,79.75 55,81.5
  other v2: 47.5,55.75 48.75,57.25 48.75,59.75 52.25,65.75 54,67.5 56.5,71.25 56.5,73.5 56.5,76 56.5,78 56.425,80.35
NetK1_14: "OUT 1.1" K1.14 | length 75.7
  Top Layer w2: K1.14@35.84,46.62 v2(35.84,50.4) 35.84,57.74 v2(36.8,58.7) 37.5,59.4 v2(37.5,64.6) v2(37.5,67.2) v2(37.5,70) v2(39.5,72) v2(41.8,74.3) 43,75.5 43,81.5
  Bottom Layer w2: K1.14@35.84,46.62 v2(35.84,50.4) 35.84,57.84 37.5,59.5 v2(37.5,64.6) v2(37.5,67.2) v2(37.5,70) 43,75.5 v2(43,76.2) v2(43,78.1) v2(43,80) 43,81.5
  other v2: 35.7,56.3 37.4,62
NetK1_A1: K1.A1 Q1.3 VD1.1 VD2.2 | length 14.5
  Top Layer w0.5: VD2.2 55.8,42.75 Q1.3 56.1,44 58.72,46.62 61.04,46.62 62.285,45.375 VD1.1
NetQ1_1: Q1.1 R11.1 | length 2.6
  Top Layer w0.5: R11.1 54.7,40.5 Q1.1
NetR1_2: R1.2 R3.1 U1.29 | length 28.1
  Top Layer w0.5: R1.2 R3.1 43.375,39.4 v2(43.575,39.6) ; v2(62.5,30.75) U1.29
  Bottom Layer w0.7: v2(43.575,39.6) 44.9,39.6 53.75,30.75 v2(62.5,30.75)
NetR4_2: R4.2 U1.8 | length 2.3
  Top Layer w0.35: R4.2 U1.8
NetR5_2: R5.2 R7.2 T1.3 | length 25.4
  Top Layer w0.5: R7.2 R5.2 30,54.75 34,58.75 T1.3
NetR6_2: R6.2 U1.9 | length 2.4
  Top Layer w0.35: R6.2 U1.9
NetR7_1: R7.1 R8.2 T1.4 | length 42.2
  Top Layer w0.5: v2(28,37.5) R7.1
  Top Layer w1: R8.2 R7.1
  Bottom Layer w0.5: v2(28,37.5) 28,63.75 34,69.75 T1.4
NetR9_1: R9.1 T2.1 | length 4.2
  Top Layer w1: T2.1@61.02,75.75 62.75,75.75 R9.1
NetR10_1: R10.1 VD2.1 | length 1.7
  Top Layer w0.5: R10.1 VD2.1
NetR11_2: R11.2 U1.20 | length 29.7
  Top Layer w0.5: R11.2 52.7,36.8 58.42,31.08 58.42,30.459 58.2,30.239 58.2,17.9 61.65,14.45 61.65,13.95 U1.20
NetR12_2: R12.2 R13.2 T2.3 | length 8.7
  Top Layer w0.5: T2.3@61,59.27 T2.3@61.02,59.25
  Top Layer w1: T2.3 65.45,59.3 65.575,59.425 R12.2 R13.2
NetR17_1: R17.1 VD6.1 | length 22.6
  Top Layer w0.7: R17.1@29.5,18 30.5,18 v2(38.5,10) ; v2(44.5,5.5) 45,5 VD6.1
  Bottom Layer w0.7: v2(38.5,10) 40,10 v2(44.5,5.5)
NetR20_1: R20.1 U1.2 X9.2 | length 36.6
  Top Layer w0.7: R20.1 U1.2 v2(46.75,34.75) ; X9.2 v2(53.79,9.96)
  Bottom Layer w0.7: v2(46.75,34.75) 50,31.5 50,10.5 50.54,9.96 v2(53.79,9.96)
NetR21_1: R21.1 U1.3 X9.4 | length 30.5
  Top Layer w0.7: U1.3 v2(46.75,32.75) ; v2(48.71,9.96) X9.4 48.75,7.21 R21.1
  Bottom Layer w0.7: v2(46.75,32.75) 48.5,31 48.5,10.17 v2(48.71,9.96)
NetR22_1: R22.1 VD7.1 | length 2.3
  Top Layer w0.7: VD7.1 R22.1
NetR22_2: R22.2 U1.5 | length 2.5
  Top Layer w0.7: R22.2 44.6,29 U1.5
NetU*1_18: U1.18 X8.1 | length 12
  Top Layer w0.7: U1.18 58.55,9.95 63.75,4.75 65.21,4.75 X8.1
NetU*1_19: U1.19 X8.2 | length 8.8
  Top Layer w0.7: U1.19 60.55,10.2 63.5,7.25 X8.2
NetU*1_31: U1.31 X10.1 | length 7
  Top Layer w1.85: 61.25,38.75 61.25,34.75 U1.31
NetVD3_1: VD3.1 X7.1 | length 3.8
  Top Layer w0.7: X7.1 VD3.1
"V 3.3": D4.2 R2.2 R14.1 R18.1 R19.2 R21.2 U1.17 X9.1 | length 107.1
  Top Layer w0.5: D4.2 v2(22.25,16.5)
  Top Layer w0.7: R14.1 R18.1 v2(8.75,11.5) ; v2(26,14.25) R2.2 ; R19.2 40.5,27 v2(41.75,27) ; v2(47,28.25) 47.75,29 v2(51.5,29) ; R21.2 54.08,5 ; v2(54.08,4.33) 54.08,5 ; v2@56.55,22.95 U1.17 56.33,12.83 X9.1 54.08,5
  Bottom Layer w0.7: v2(8.75,11.5) 17.25,11.5 v2(22.25,16.5) 25.25,13.5 ; v2(26,14.25) 25.25,13.5 ; v2(41.75,27) 43,28.25 v2(47,28.25) ; v2(51.5,29) 51.5,28 v2(56.5,23) ; v2(54.08,4.33) 52.25,2.5 36.25,2.5 25.25,13.5
pads on no net: D2.5 D2.6 D3. D3.3 D3.4 D4. D4.4 D4.5 K1.17 K1.18 K1.19 U1.10 U1.12 U1.13 U1.14 U1.15 U1.23 U1.24 U1.25 U1.28 X1. X1.4 X7.
copper on no net: | length 1.7
  Top Layer w0.4: -125,-103 -125,-102.5
  Top Layer w0.5: 51.25,36 52.439,36

## Polygon pours and split planes (outlines as drawn)
GND on Bottom Layer "BUTTON-GND" (solid, remove dead copper, pour order 8): 53.5,60 58.75,65.25 58.75,65.5 67,65.5 67,0 0,0 0,43.75 53.5,43.75 53.25,44 53.25,59.25
GND on Top Layer "Top Layer-GND" (solid, remove dead copper, pour order 4): 53.25,60 58.75,65.5 67.5,65.5 67.5,0 0,0 0,43.5 -0.25,43.75 53,43.75 53.25,43.5

## Silkscreen, mask and mechanical layers (free items; w line width, h text height)
Top Overlay:
  lines w0.1: 18.775,19.725 19.4,19.725 ; 19.2,19.525 19.2,19.725 19.2,19.925 ; 22.575,24.9 22.775,24.9 22.975,24.9 ; 22.775,24.7 22.775,25.325 ; 25.35,24.975 25.55,24.975 25.75,24.975 ; 25.55,24.775 25.55,25.4 ; 38.025,30.2 38.225,30.2 38.425,30.2 ; 38.225,29.775 38.225,30.4 ; 64.875,46.7 65.075,46.7 65.275,46.7 ; 65.075,46.275 65.075,46.9 ; 19,19.55 19.175,19.725 19,19.9 19,19.55 ; 22.6,25.1 22.775,24.925 22.95,25.1 22.6,25.1 ; 25.375,25.175 25.55,25 25.725,25.175 25.375,25.175 ; 38.05,30 38.4,30 38.225,30.175 38.05,30 ; 64.9,46.5 65.075,46.675 65.25,46.5 64.9,46.5
  text "+" at 16,26 h1.52
  text "-" at 16,23.5 h1.52
Bottom Overlay:
  text "L" at 58,80 h2 r180
  text "L" at 44.25,79.75 h2 r180
  text "N" at 26.75,79.5 h2 r180
  text "L" at 31.25,79.5 h2 r180
  text "N" at 40,78.75 h2
  text "N" at 51.75,78.75 h2
  text "HIGH VOLTAGE" at 3.5,49 h5 r180
  text "Made in Russia" at 0.5,4.75 h2 r180
  text "AM1424" at 0.5,3.5 h5 r180
Inside:
  lines w0.1: 34,42.5 47,42.5 47,43.5 34,43.5 34,42.5 ; 35.5,60.5 36,60.5 36,75.5 35.5,75.5 35.5,60.5 ; 41,80.25 41,83.75 44.75,83.75 44.75,83.25 41.5,83.25 41.5,80.25 41,80.25

## Dimensions
67,86 to 67.5,0 on Top Layer
0,86 to 67,86 on Top Layer

## Text inside footprints (layer, text, board x,y; h text height)
D1: Top Overlay "AC" at 17,65 h2 r270; Top Overlay "AC" at 7,65 h2 r270; Top Overlay "+5V" at 6.5,36 h2 r270; Top Overlay "GND" at 17.5,36 h2 r270
K1: Top Overlay "A2" at 60,54.907 h0.51 r90; Top Overlay "A1" at 60.099,47.407 h0.51 r90; Top Overlay "12" at 46.433,55.628 h0.51 r90; Top Overlay "11" at 41.333,55.628 h0.51 r90; Top Overlay "14" at 36.333,55.628 h0.51 r90; Top Overlay "22" at 46.467,44.728 h0.51 r90; Top Overlay "21" at 41.433,44.728 h0.51 r90; Top Overlay "24" at 36.373,44.628 h0.51 r90